# Altium PCB pcb.PcbDoc (part 1 of 2) (continued)
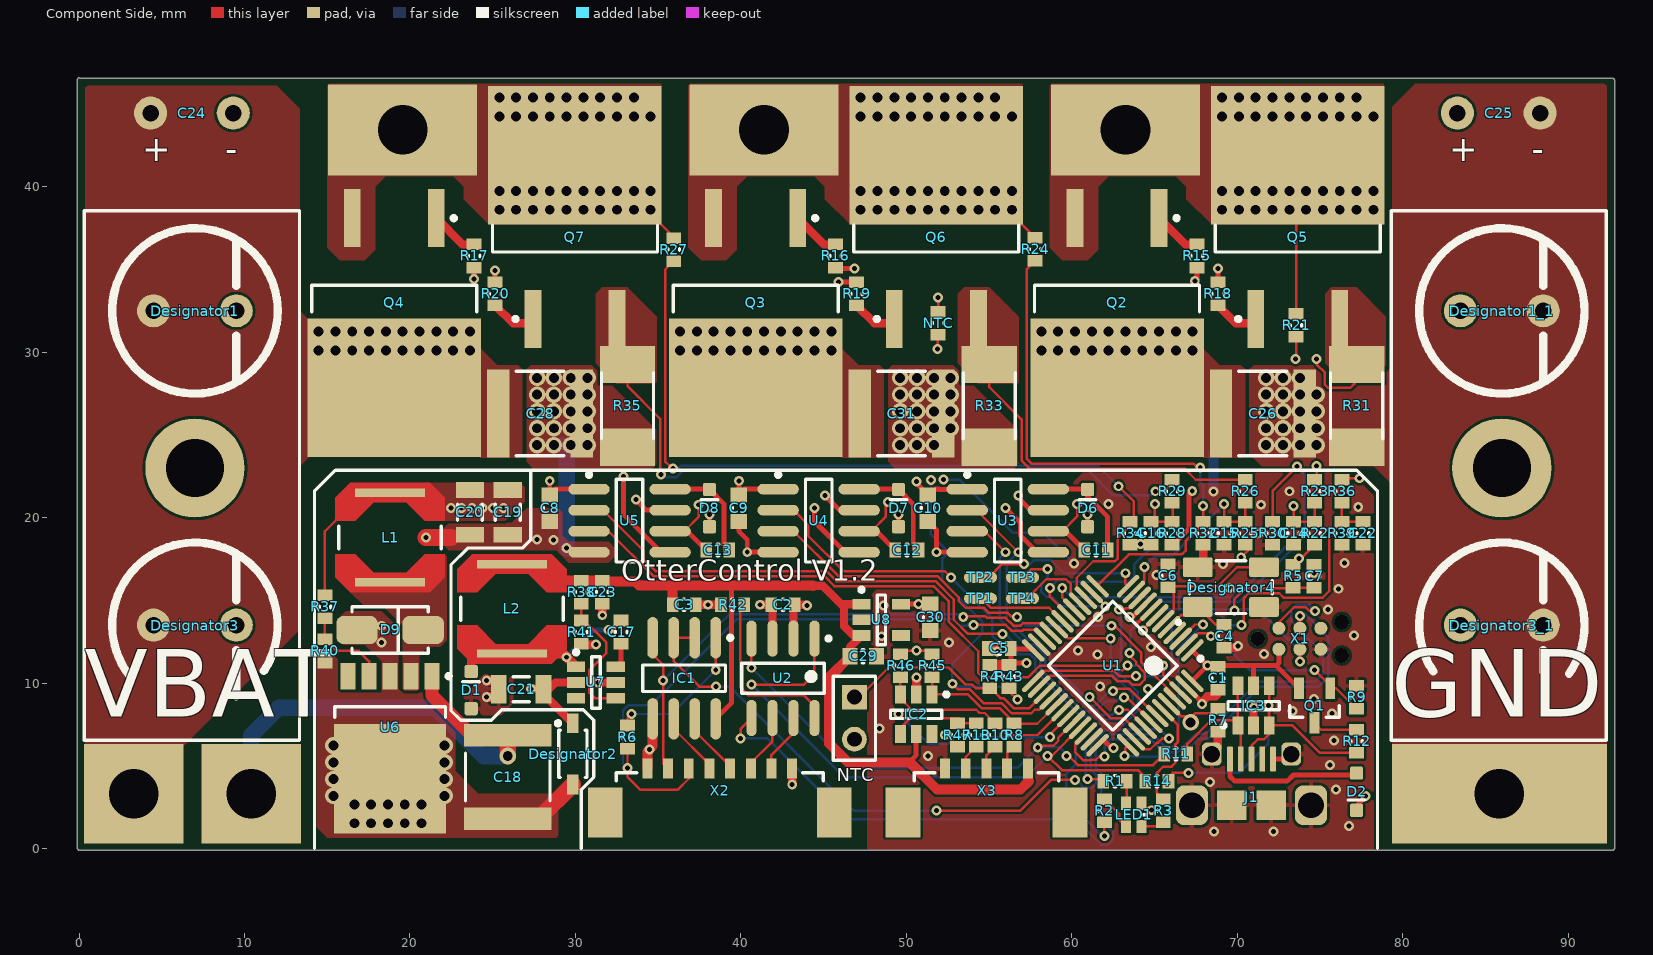
[diagram p0: Component Side view]
## Footprints (in the part's own frame and the unit in brackets; to place one, negate y for a bottom-side part, rotate by r counter-clockwise, add the part's x,y. Pads: shape width x height; smd on the part's side, far side on the other; paste and mask are expansions set on the pad)
10x12.5-5 [mm]
  round 2 hole 1: 1(2.5,0) 2(-2.5,0)
  silkscreen extent -5,-5.01 5,4.99
12.5x31.5-angle [mm]
  round 2 hole 1: 1(-18.9,-2.5) 2(-18.9,2.5)
  silkscreen extent -13,-6.5 19,6.5, body extent -19.15,-6.5 19.15,6.5, height 13.5
ABM3B [mm]
  rrect20% 1.8x1.2 smd: 1(-2,-1.2) 2(2,-1.2) 3(2,1.2) 4(-2,1.2)
  silkscreen extent -3.27,-2.22 2.5,1.6, body extent -2.5,-1.6 2.5,1.6, height 1.1
C-0603-H [mm] "Chip Resistor, Body 1.6x0.8mm, IPC High Density"
  rect 0.7x0.9 smd: 1(-0.7,0) 2(0.7,0)
  silkscreen extent -0.05,-0.35 0.05,0.35, body extent -0.85,-0.45 0.85,0.45, height 0.9
C-0603-M [mm] "Chip Resistor, Body 1.6x0.8mm, IPC Medium Density"
  rect 0.9x1 smd: 1(-0.8,0) 2(0.8,0)
  silkscreen extent -0.05,-0.4 0.05,0.4, body extent -0.85,-0.45 0.85,0.45, height 0.9
C-1206-H [mm] "Chip Resistor, Body 3.2x1.6mm, IPC High Density"
  rect 0.95x1.7 smd: 1(-1.35,0) 2(1.35,0)
  silkscreen extent -0.5,-0.75 0.5,0.75, body extent -1.7,-0.9 1.7,0.9, height 1
C-2220 [mm]
  rect 1.35x5.3 smd: 1(-2.525,0) 2(2.525,0)
  silkscreen extent -1.45,-2.55 1.45,2.55, body extent -3.05,-2.7 3.05,2.7, height 2.5
DIODE-SMA [mm]
  rrect50% 1.7x2.5 smd: 1(0,2) 2(0,-2)
  silkscreen extent -1.4,-2.3 1.4,2.3, body extent -1.4,-2.74 1.4,2.74, height 2.34
DPAK127P970X238-6L [mm] "D-PAK, 6-Pads, Body 6.20x6.72mm (max), IPC High Density"
  rect 1.6x0.9 smd: 1(-4.35,2.54) 2(-4.35,1.27) 3(-4.35,0) 4(-4.35,-1.27) 5(-4.35,-2.54)
  rect 6.6x6.75 smd: 6(1.85,0)
  silkscreen extent -4.47,-3.35 -1.85,3.67, body extent -4.51,-3.35 5.18,3.35, height 2.38
HDR1X2 [mm] "Connector; Header; 2 Position"
  rect 1.5x1.5 hole 0.9: 1(0,0)
  round 1.5 hole 0.9: 2(2.54,0)
  silkscreen extent -1.27,-1.27 3.81,1.27
LPS6235 [mm]
  rect 0.5x4.25 smd paste+0 mask+0: 1(-2.7,0) 2(2.7,0)
  Component Side region: -1,2.1 -2.125,0.975 -2.125,-0.975 -1,-2.1 -1,-3.3 -2.4,-3.3 -3.3,-2.4 -3.3,2.4 -2.4,3.3 -1,3.3
  Component Side region: 1,-2.1 2.125,-0.975 2.125,0.975 1,2.1 1,3.3 2.4,3.3 3.3,2.4 3.3,-2.4 2.4,-3.3 1,-3.3
  silkscreen extent -0.7,-3.1 0.7,3.1, body extent -3.1,-3.1 3.1,3.1, height 3.5
mlx-picoBlade-5p-right-SMD [mm]
  rect 2.1x3 smd: 0(-5.045,2.65) 0(5.045,2.65)
  rect 0.6x1.2 smd: 1(-2.495,0) 2(-1.245,0) 3(0.005,0) 4(1.255,0) 5(2.505,0)
  silkscreen extent -4.37,0.25 4.37,0.75, body extent -5.7,-0.31 5.7,4.89, height 3.3
mlx-picoBlade-8p-right-SMD [mm]
  rect 2.1x3 smd: 0(-6.925,2.65) 0(6.925,2.65)
  rect 0.6x1.2 smd: 1(-4.375,0) 2(-3.125,0) 3(-1.875,0) 4(-0.625,0) 5(0.625,0) 6(1.875,0) 7(3.125,0) 8(4.375,0)
  silkscreen extent -6.25,0.25 6.25,0.75, body extent -7.57,-0.35 7.58,4.85, height 3.4
ONSC-D2PAK-3-418B-04_V#1 [mm] "DPAK, 3-Leads, Body 9.97x9.145mm, Pitch 2.54mm"
  rect 3.504x1.016 smd: 1(-6.35,2.54) 3(-6.35,-2.54)
  rect 8.38x10.49 smd: 4(3.9,0)
  silkscreen extent -6.47,-4.98 -0.69,4.98, body extent -2.3,-4.98 6.85,4.98, height 4.83
ONSC-D2PAK-3-418B-04_V#2 [mm] "DPAK, 3-Leads, Body 9.97x9.145mm, Pitch 2.54mm"
  rect 3.504x1.016 smd: 1(-6.35,2.54) 3(-6.35,-2.54)
  rect 8.38x10.49 smd: 4(3.546,0)
  silkscreen extent -6.47,-4.98 -0.69,4.98, body extent -2.3,-4.98 6.85,4.98, height 4.83
R-0603-H [mm] "Chip Resistor, Body 1.6x0.8mm, IPC High Density"
  rect 0.7x0.9 smd: 1(-0.7,0) 2(0.7,0)
  silkscreen extent -0.05,-0.35 0.05,0.35, body extent -0.87,-0.47 0.88,0.48, height 0.55
R-2512-M [mm]
  rect 2.25x3.35 smd: 1(-2.5,0) 2(2.5,0)
  silkscreen extent -2,-1.57 2,1.58, body extent -3.3,-1.7 3.3,1.7, height 0.7
SOD123 [mm]
  rect 1.2x0.7 smd: 1(-1.85,0) 2(1.85,0)
  silkscreen extent -1.43,-0.85 1.97,1.02, body extent -1.93,-0.85 1.93,0.85, height 1.42
SOD323F [mm]
  rrect30% 0.8x0.8 smd: 1(-1.125,0) 2(1.125,0)
  silkscreen extent 0.5,-0.5 0.5,0.5, body extent -1.25,-0.68 1.25,0.67, height 1.01
SOIC-8 [mm] "SOIC, 8-Leads, Body 4.89x3.9mm, Pitch 1.27mm, IPC Low Density"
  oval 2.5x0.65 smd: 1(-2.45,1.905) 2(-2.45,0.635) 3(-2.45,-0.635) 4(-2.45,-1.905) 5(2.45,-1.905) 6(2.45,-0.635) 7(2.45,0.635) 8(2.45,1.905)
  silkscreen extent -2.57,-2.5 0.8,2.91, body extent -3,-2.45 3,2.45, height 1.75
SOIC-SN8_N [mm] "SOIC, 8-Leads, Body 4.9x3.9mm, Pitch 1.27mm, IPC Medium Density"
  oval 2.2x0.6 smd: 1(-2.4,1.905) 2(-2.4,0.635) 3(-2.4,-0.635) 4(-2.4,-1.905) 5(2.4,-1.905) 6(2.4,-0.635) 7(2.4,0.635) 8(2.4,1.905)
  silkscreen extent -2.52,-2.5 0.9,2.88, body extent -2,-2.5 2,2.5, height 1.75
SOT23-5 [mm] "SOT23, 5-Leads, Body 2.9x1.6mm, Pitch 0.95mm, Lead Span 2.8mm, IPC Medium Density"
  rect 1.1x0.65 smd: 1(-1.2,0.95) 2(-1.2,0) 3(-1.2,-0.95) 4(1.2,-0.95) 5(1.2,0.95)
  silkscreen extent -1.32,-1.5 0.25,1.95, body extent -1.4,-1.45 1.4,1.45, height 1.45
SOT23-6 [mm]
  rect 1.1x0.65 smd: 1(-1.2,0.95) 2(-1.2,0) 3(-1.2,-0.95) 4(1.2,-0.95) 5(1.2,0) 6(1.2,0.95)
  silkscreen extent -1.32,-1.55 0.25,1.95, body extent -1.4,-1.45 1.4,1.45, height 1.45
SOT-23 [mm] "SOT23, 3-Leads, Body 3.04x1.4mm, Pitch 0.95mm, IPC Medium Density"
  rect 1.3x0.6 smd: 1(-1.05,0.95) 2(-1.05,-0.95) 3(1.05,0)
  silkscreen extent 0,-1.5 0.7,1.5, body extent -1.4,-1.45 1.4,1.45, height 1.3
STM-LQFP48_N [mm] "QFP, 48-Leads, Body 7x7mm, Pitch 0.5mm, IPC Medium Density"
  oval 1.8x0.3 smd: 1(-4.05,2.75) 2(-4.05,2.25) 3(-4.05,1.75) 4(-4.05,1.25) 5(-4.05,0.75) 6(-4.05,0.25) 7(-4.05,-0.25) 8(-4.05,-0.75) 9(-4.05,-1.25) 10(-4.05,-1.75) 11(-4.05,-2.25) 12(-4.05,-2.75) 25(4.05,-2.75) 26(4.05,-2.25) 27(4.05,-1.75) 28(4.05,-1.25) 29(4.05,-0.75) 30(4.05,-0.25) 31(4.05,0.25) 32(4.05,0.75) 33(4.05,1.25) 34(4.05,1.75) 35(4.05,2.25) 36(4.05,2.75)
  oval 0.3x1.8 smd: 13(-2.75,-4.05) 14(-2.25,-4.05) 15(-1.75,-4.05) 16(-1.25,-4.05) 17(-0.75,-4.05) 18(-0.25,-4.05) 19(0.25,-4.05) 20(0.75,-4.05) 21(1.25,-4.05) 22(1.75,-4.05) 23(2.25,-4.05) 24(2.75,-4.05) 37(2.75,4.05) 38(2.25,4.05) 39(1.75,4.05) 40(1.25,4.05) 41(0.75,4.05) 42(0.25,4.05) 43(-0.25,4.05) 44(-0.75,4.05) 45(-1.25,4.05) 46(-1.75,4.05) 47(-2.25,4.05) 48(-2.75,4.05)
  silkscreen extent -4.17,-2.75 2.75,3.57, body extent -3.5,-3.5 3.5,3.5, height 1.6
TC2030-IDC-NL [mil]
  round 31 smd paste-30.98: 1(50,-25) 2(50,25) 3(100,-25) 4(100,25) 5(150,-25) 6(150,25)
  round 34 hole 35 unplated: A(0,0) B(200,40) C(200,-40)
TP [mm]
  oval 2x0.7 smd paste-2: 1(0,0)
uLED [mm]
  rect 0.8x0.6 smd: 1(0.7,-0.475) 2(-0.7,-0.475) 3(-0.7,0.475) 4(0.7,0.475)
  silkscreen extent 0,-0.75 0,-0.5, body extent -1,-1 1,1, height 0.9
USB_Micro-Molex [mm]
  round 0.508 on Mech15: 0(0,0)
  rrect20% 0.35x1.5 smd: 1(-1.3,4.9) 2(-0.65,4.9) 3(0,4.9) 4(0.65,4.9) 5(1.3,4.9)
  rrect50% 1.95x2.4 hole 1.55 paste+2: SH(-3.6,2.1)
  rrect50% 1.2x1.4 hole 1 paste+0: SH(-2.4,5.2) SH(2.4,5.2)
  rect 1.8x1.8 smd: SH(-1.2,2.1) SH(1.2,2.1)
  rrect50% 1.95x2.4 hole 1.55 paste+0: SH(3.6,2.1)
  body extent -5.35,-21.58 5.35,5.3, height 5.2

## Part data
C1 C2 C5 C7: library part C-0603-100n-25V, "Capacitor 100n 25V", Supplier Part Number 1=80-C0603C104K3R, Supplier 1=Mouser
C3 C23 C30: library part C-0603-10u-6,3V, "Capacitor 10uF 6,3V", Supplier Part Number 1=80-C0603C106M9P, Supplier 1=Mouser
C4 C6: library part C-0402-18p-50V, "Capacitor 18p 50V", Supplier Part Number 1=80-C0402C180J5G, Supplier 1=Mouser
C8 C9 C10: library part C-0603-2u2-16V, "Capacitor 2.2uF 16V", Supplier Part Number 1=80-C0603C225K4P, Supplier 1=Mouser
C11 C12 C13: library part C-0603-1u-25V, "Capacitor 1uF 25V", Supplier Part Number 1=80-C0603C105K3R, Supplier 1=Mouser
C14 C15 C16 C22: library part C-0603-1n-50V, "Capacitor 1nF 50V", Supplier Part Number 1=80-C0603C102J5G, Supplier 1=Mouser
C17: library part C-0603-100n-50V, "Capacitor 100n 50V", Supplier Part Number 1=80-C0603C104K5RAUTO, Supplier 1=Mouser
C18 C26 C28 C31: library part C-2220-15u-100V, "Capacitor 47uF 100V"
C19 C20 C21: library part C-1206-10u-25V, "Capacitor 10uF 25V", Supplier Part Number 1=80-C1206C106K3P, Supplier 1=Mouser
C24 C25: library part SC-10F-2.7V, "supercap 10F 2.7V", Supplier Part Number 1=647-JUMT1106MHD, Supplier 1=Mouser
C29: library part C-0603-1u-10V, "Capacitor 1uF 10V", Supplier Part Number 1=80-C0603C105K8P, Supplier 1=Mouser
D1 D2 D6 D7 D8: "Diode 1N4148", Supplier Part Number 1=512-1N4148WS, Supplier 1=Mouser
D9: library part D-B230A-13-F, Supplier Part Number 1=621-B230A-F, Supplier 1=Mouser
Designator2: library part Diode-Zener-12V
Designator4: library part ABM3B-12MHz
IC1: "RS485 transceiver"
IC2 IC3: "USB protection"
J1: library part USB_Micro_MOLEX, "Connector SMD-THD USB Micro Type B middle mount"
L1: library part L-LPS6235-68u, Supplier Part Number 1=994-LPS6235-683MRC, Supplier 1=Mouser
L2: library part L-LPS6235-6u8, Supplier Part Number 1=994-LPS6235-682MRB, Supplier 1=Mouser
LED1: library part uLED-RGB, "CLMVB-FKA RGB", Supplier Part Number 1=941-CLMVBFKACFHEHLCB, Supplier 1=Mouser
NTC R4 R42 R43: library part R-0603-10k, "Resistor 10k", Supplier Part Number 1=71-CRCW0603-10K-E3, Supplier 1=Mouser
NTC: "Header, 2-Pin", LatestRevisionDate=17-Jul-2002, LatestRevisionNote="Re-released for DXP Platform.", Publisher="Altium Limited"
Q1: library part MOSFET-P, Supplier Part Number 1=781-SI2367DS-GE3, Supplier 1=Mouser
Q2 Q3 Q4 Q5 Q6 Q7: library part CMP-1058-00095-1, "Power MOSFET, 37 A, 150 V, N-Channel Enhancement-Mode, 3-Pin D2PAK, Pb-Free, Tube", Manufacturer="On Semiconductor", Package Type=D2PAK-3, PartNumber=NTB35N15G, Channel Polarity="N Channel", Ciss Typ (pF)=2275, ComponentLink1Description="Manufacturer URL", ComponentLink1URL=http://www.onsemi.com/, ComponentLink2Description=Datasheet, ComponentLink2URL=http://www.onsemi.cn/pub_link/Collateral/NTB35N15-D.PDF, ComponentLink3Description="Package Specification", ComponentLink3URL=http://www.onsemi.com/pub_link/Collateral/418B-04.PDF, Configuration=Single, Coss Typ (pF)=450, Crss Typ (pF)=90, DatasheetVersion="Rev. 5", Mounting Technology="Surface Mount", PackageDescription="3-Pin Flange Mount, Body 9.145 x 9.97 mm, Pitch 2.54 mm", PackageReference=D2PAK-3-418B-04, PackageVersion="Rev. K, 09/2008", Packing=Tube, Qrr Typ (nC)=1140, RoHS=Pb-Free, V(BR)DSS Min (V)=150, VGS(th) Max (V)=4, VGS Max (V)=20
R1 R2 R3 R6 R8 R10 R13 R45 R46 R47: library part R-0402-470, "Resistor 470", Supplier Part Number 1=71-CRCW0402-470-E3, Supplier 1=Mouser
R5 R9 R21 R24 R27 R36 R38: library part R-0603-47k, "Resistor 4k7", Supplier Part Number 1=71-CRCW060347K0FKEB, Supplier 1=Mouser
R7 R37: library part R-0603-20k, "Resistor 20k", Supplier Part Number 1=71-CRCW0603-20K-E3, Resistance=20k, Supplier 1=Mouser
R11 R14: library part R-0603-22, "Resistor 22", Supplier Part Number 1=71-CRCW0603-22-E3, Supplier 1=Mouser
R12: library part R-0603-1k5, "Resistor 1.5k", Supplier Part Number 1=71-CRCW0603-1.5K-E3, Supplier 1=Mouser
R15 R16 R17 R18 R19 R20: library part R-0603-10, "Resistor 10", Supplier Part Number 1=71-CRCW0603-10-E3, Supplier 1=Mouser
R22 R25 R28: library part R-0603-5k1, "Resistor 5.1k", Supplier Part Number 1=71-CRCW0603-5.1K-E3, Supplier 1=Mouser
R23 R26 R29: library part R-0603-100, "Resistor 100", Supplier Part Number 1=71-CRCW0603-100-E3, Supplier 1=Mouser
R30 R32 R34 R39 R40: library part R-0603-2k, "Resistor 2k", Supplier Part Number 1=71-CRCW0603-12.1K-E3, Supplier 1=Mouser
R31 R33 R35: library part R-1206-0, "Resistor 0", Supplier Part Number 1=71-CRCW1206-0-E3, Supplier 1=Mouser
R41: library part R-0603-15k, "Resistor 15k", Supplier Part Number 1=71-CRCW0603-15K-E3, Supplier 1=Mouser
U1: library part CMP-0572-00014-2, "ARM Cortex-M4 32-bit MCU, 128 KB Flash, 32 KB Internal RAM, 37 I/Os, 48-pin LQFP, -40 to 85 degC, Tray", I/Os (High Current)=37, Operating Frequency(F) (Processor speed) (MHz)=72, Supply Voltage(Vcc) min (V)=2, ComponentLink1Description="Manufacturer URL", ComponentLink1URL=http://www.st.com/web/en/home.html, ComponentLink2Description=Datasheet, ComponentLink2URL=http://www.st.com/st-web-ui/static/active/en/resource/technical/document/datasheet/DM00058181.pdf, ComponentLink3Description="Package Specification", ComponentLink3URL=http://www.st.com/st-web-ui/static/active/en/resource/technical/document/datasheet/DM00058181.pdf, Core="ARM Cortex-M4", D/A Converter="2x12-bit (2 Channel)", DatasheetVersion="Rev. 6", FLASH Size (Prog) (kB)=128, Internal RAM Size (kB)=32, Mounting Technology="Surface Mount", PackageDescription="48-Pin Low Profile Quad Flat Package, 7 x 7 mm Body, 0.5 mm Pitch", PackageReference=LQFP48, PackageVersion="Rev. 6, 06/2013", Packing=Tray, PartId=1, PartNumber=STM32F303CBT6
U2: library part CMP-0186-00138-2, "High-Speed CAN Transceiver, 8-Pin SOIC, Industrial Temperature", Code_IPC=SOIC127P600-8, Code_JEDEC=MS-012, ComponentLink1Description="Manufacturer URL", ComponentLink1URL=http://www.microchip.com/, ComponentLink2Description=Datasheet, ComponentLink2URL=http://ww1.microchip.com/downloads/en/DeviceDoc/21667F.pdf, ComponentLink3Description="Package Specification", ComponentLink3URL=http://www.microchip.com/stellent/groups/techpub_sg/documents/packagingspec/en012702.pdf, DatasheetVersion="revF, Jul-2010", PackageDescription="8-Lead Plastic Small Outline (SN) - Narrow, 3.90mm Body [SOIC]", PackageReference=SOIC-SN8, PackageVersion="revBB, Aug-2009", RevisionNote="URLs added. DatasheetVersion updated."
U6: "High Voltage StepDown"
U8: Supplier Part Number 1=998-MIC5501-3.0YM5TR, Supplier 1=Mouser
X1: library part TAG-Connect-SWD, "TC2050-IDC SWD"
X2: library part MLX-picoBlade-8P-right-SMD, Supplier Part Number 1=538-53261-0871, Supplier 1=Mouser
X3: library part MLX-picoBlade-5P-right-SMD, Supplier Part Number 1=538-53261-0571, Supplier 1=Mouser

## Free pads (board coordinates)
  rect 6x6 hole 3: 1(3.3,3.3) 1(10.4,3.3)
  rect 9x5.5 hole 3: 1(19.558,43.434) 1(41.402,43.434) 1(63.246,43.434)
  rect 13x6 hole 3: 1(85.852,3.302)
  round 6 hole 3.5: 2(7,23) 2(86,23)

## Via types
v1: diameter 1, hole 0.6, Component Side to Solder Side, 195 vias
v2: diameter 0.6, hole 0.3, Component Side to Solder Side, tented both sides, 178 vias
v3: diameter 1, hole 0.6, Component Side to Solder Side, tented both sides, 59 vias
v4: diameter 0.6, hole 0.3, Component Side to Solder Side, 1 vias
v5: diameter 1, hole 0.6, Component Side to Solder Side, tented bottom, 1 vias

## Nets (pads, with @x,y where several pads share a name; then routed paths per layer and width w, separated by ;. In a path a pad name is that pad's centre, name@x,y a point inside that pad or via, vN(x,y) a via of type N, cw(c..) or ccw(c..) an arc to the next point about the centre after c; other vN are vias at no path point)
3V3: C1.2 C2.2 C5.2 C30.2 IC3.5 LED1.1 Q1.2 R4.2 R5.2 R22.1 R25.1 R28.1 R43.2 R45.2 R46.2 R47.2 U1.1 U1.9 U1.24 U1.36 U1.48 U2.3 U8.5 X1.1 X2.1 | length 42.8
  Component Side w0.15: R46.2@49.657,11.749 49.871,11.963 v2(50.622,11.963) 51.348,11.963 R45.2@51.562,11.749 ; v2(52.324,6.858) 52.386,6.858 R47.2@53.086,6.158 ; LED1.1@64.229,2.732 64.65,2.311 v2(64.821,2.311) ; v2(70.245,17.602) 70.739,18.096 R25.1@70.485,18.35 ; R5.2@73.381,17.159 v2(73.747,17.526) 73.879,17.658 73.984,17.658 R22.1@74.676,18.35
  Component Side w0.3: U8.5@49.689,14.768 v2(50.726,14.768) 50.987,14.507 C30.2@51.492,14.507 ; R43.2@56.326,11.416 56.326,12.065 57.579,12.065 U1.24@57.676,11.968 ; R43.2@56.54,11.201 v2(57.277,11.201) ; U1.36@61.565,6.241 61.903,6.579 62.411,6.071 v2(62.535,6.071) ; v2(63.492,14.003) 63.492,13.861 63.51,13.843 U1.9@64.464,14.797 ; R28.1@66.294,18.35 66.294,18.526 67.081,19.313 67.081,21.412 v2(67.285,21.615) ; U1.48@67.292,10.13 68.199,11.036 v2(68.199,11.049) ; U1.1@67.292,11.968 68.199,11.062 v2(68.199,11.049) ; IC3.5@70.993,9.836 70.993,11.049 ; X1.1@72.517,12.04 72.517,11.203 72.363,11.049 ; Q1.2@73.726,9.686 72.363,11.049 ; R22.1@74.676,18.35 R22.1@74.727,18.299 ; v2(68.199,11.049) 70.993,11.049 ; 70.993,11.049 72.363,11.049
  Component Side w0.5: v2(41.148,14.732) C2.2@41.845,14.732 41.91,14.667 U2.3@41.91,12.687 ; v2(43.104,3.861) X2.1@43.104,4.685
  Component Side w0.6: R4.2@55.042,11.089 R43.2@56.21,11.089
  Signal Layer 1 w0.5: v2(41.148,14.732) 42.164,13.716 49.784,13.716
5V: C3.2 C23.2 C29.2 IC1.8 IC2.5 L2.2 R38.2 U8.1 U8.3 X3.1 | length 55.3
  Component Side w0.3: IC1.8@38.481,7.837 39.446,8.802 39.446,14.157 ; 39.37,15.9 39.446,15.824 39.446,15.307 ; 39.447,14.158 39.447,15.306 ; 50.165,5.207 50.596,5.638 IC2.5@50.596,6.911
  Component Side w0.5: 44.374,15.875 44.958,15.875 46.065,14.768 ; C29.2@46.596,11.608 46.596,12.175 U8.3@47.289,12.868 46.798,12.868 46.228,13.438 46.228,14.605 46.065,14.768 ; U8.1@47.289,14.768 46.065,14.768
  Component Side w0.6: 28.383,16.194 R38.2@30.353,16.194 C23.2@31.623,16.194 31.688,16.129 33.604,16.129 33.833,15.9 35.865,15.9 ; C3.2@35.876,14.732 35.876,15.889 35.865,15.9 ; 44.374,15.875 44.348,15.9 39.37,15.9 35.865,15.9 ; C29.2@46.596,11.608 45.339,10.35 45.339,6.35 46.482,5.207 50.165,5.207 50.21,5.207 51.861,3.556 56.896,3.556 57.404,4.064 57.344,4.124 X3.1@57.344,4.826
12V: C8.2 C9.2 C10.2 C19.2 C20.2 C21.2 D2.2 D6.1 D7.1 D8.1 Designator2.2 L1.2 R37.2 U3.1 U4.1 U5.1 U7.2 | length 72.3
  Component Side w0.15: R37.2@14.859,15.305 14.859,19.177 16.129,20.447
  Component Side w0.3: v2(28.448,22.225) C8.2@28.448,21.374 28.791,21.717 U5.1@30.824,21.717 ; D8.1@38.1,19.449 v2(38.1,20.193) ; v2(39.878,22.225) C9.2@39.878,21.374 40.221,21.717 U4.1@42.254,21.717 ; D7.1@49.53,19.449 v2(49.53,20.193) ; v2(50.622,22.174) 50.622,22.06 C10.2@51.308,21.374 51.433,21.374 51.776,21.717 51.971,21.717 51.987,21.701 53.668,21.701 U3.1@53.684,21.717 ; D6.1@60.96,19.449 v2(60.96,20.193) ; D2.2@77.216,2.304 77.216,2.579 77.749,3.113 v2(77.749,3.175)
  Component Side w0.5: v2(27.305,9.652) 28.401,9.652 28.782,10.033 U7.2@30.042,10.033 ; C21.2@28.071,9.627 28.071,9.339 Designator2.2@29.845,7.565
  Signal Layer 1 w0.3: 61.138,22.403 61.228,22.493 63.071,22.493 63.16,22.403 75.834,22.403 76.459,21.777 77.104,21.777 77.978,20.903 77.978,3.429 77.749,3.2 v2(77.749,3.175)
  Signal Layer 1 w0.5: v2(25.654,20.574) 25.654,11.303 v2(27.305,9.652) ; 60.96,22.225 61.138,22.403
  other v2: 22.479,20.574 23.114,20.574 23.749,20.574 24.384,20.574 25.019,20.574
CAN_EN: U1.3 U2.5 | length 48.8
  Component Side w0.15: v2(39.98,6.655) 39.98,7.227 U2.5@40.64,7.887 U2.5@40.64,8.611 ; U1.3@66.585,12.675 67.448,13.538 v2(67.945,13.538)
  Solder Side w0.15: v2(39.98,6.655) 41.605,6.655 46.499,1.761 60.235,1.761 61.759,0.237 62.193,0.237 62.501,0.545 62.501,0.979 61.785,1.695 61.785,4.533 61.456,4.862 61.456,6.158 62.193,6.896 64.904,6.896 65.67,6.13 66.105,6.13 66.458,6.483 66.458,12.077 67.92,13.538 v2(67.945,13.538)
CAN_RX: R11.2 U1.32 U2.4 | length 33.5
  Component Side w0.15: v2(40.64,10.922) U2.4@40.64,12.687 ; v2(57.946,6.096) 58.056,6.206 58.891,6.206 59.199,6.514 59.199,6.703 U1.32@60.151,7.655 ; v2(59.69,5.588) 59.817,5.588 60.37,5.035 61.314,5.035 61.318,5.039 62.478,5.039 ; 62.5,5.039 62.503,5.035 62.74,5.035 62.744,5.039 64.132,5.039 64.136,5.035 64.914,5.035 R11.2@65.594,5.715
  Solder Side w0.15: v2(40.64,10.922) 46.69,4.872 56.722,4.872 v2(57.946,6.096) 57.963,6.113 59.292,6.113 59.69,5.715 v2(59.69,5.588)
CAN_TX: R14.2 U1.33 U2.1 | length 36.1
  Component Side w0.15: v2(40.64,9.906) 43.815,9.906 44.45,10.541 U2.1@44.45,12.687 ; U1.33@60.504,7.301 58.791,5.588 v2(58.547,5.588) 59.4,4.735 61.438,4.735 61.442,4.739 62.375,4.739 62.379,4.735 62.864,4.735 62.868,4.739 64.008,4.739 64.429,4.318 R14.2@64.451,4.318
  Solder Side w0.15: v2(40.64,9.906) 46.228,4.318 57.277,4.318 v2(58.547,5.588)
DAC: TP3.1 U1.14 | length 9.2
  Component Side w0.15: TP3.1@57.023,16.383 57.048,16.383 57.556,16.891 v2(58.547,16.891) ; U1.14@61.211,15.504 61.963,14.752 v2@61.963,14.448 ; v2@61.951,14.46 v2@61.963,14.448 ; v2(62.027,14.63) 62.027,14.488 61.963,14.424 61.951,14.436 v2@61.963,14.448
  Solder Side w0.15: v2(58.547,16.891) 58.547,16.363 58.149,15.965 58.149,15.531 58.457,15.223 58.793,15.223 59.385,14.63 v2(62.027,14.63)
GND: C1.1 C2.1 C3.1 C4.2 C5.1 C6.2 C7.1 C14.1 C15.1 C16.1 C21.1 C22.1 C23.1 C29.1 C30.1 D1.1 Designator4.2 Designator4.4 IC1.5 IC2.2 IC3.2 J1.5 J1.SH NTC.2 R7.1 R9.2 R30.1 R32.1 R34.1 R39.1 R41.1 R42.1 U1.8 U1.23 U1.35 U1.47 U2.2 U7.5 U8.2 X1.5 X2.8 X3.5 | length 48.3
  Component Side w0.15: NTC.2@51.918,32.45 v2(51.918,33.299)
  Component Side w0.2: 63.906,13.64 63.992,13.64 64.795,14.443 U1.8@64.817,14.443
  Component Side w0.3: U1.47@66.939,9.776 67.847,8.868 v2@67.869,8.868 ; J1.5@72.166,5.408 72.966,5.408 J1.SH@73.266,5.708
  Component Side w0.5: R41.1@30.353,12.381 30.415,12.319 v2(31.242,12.319) ; v2(31.369,10.033) U7.5@32.442,10.033 ; v2(31.623,14.097) C23.1@31.623,14.794 ; C3.1@37.211,14.667 C3.1@37.276,14.732 v2(38.024,14.732) R42.1@38.797,14.732 ; U2.2@43.18,12.687 43.18,14.667 C2.1@43.245,14.732 43.942,14.732 v2(43.993,14.681) ; IC2.2@50.596,9.311 50.596,10.312 v2(50.622,10.338) ; Designator4.4@67.621,16.999 67.945,17.322 R32.1@67.945,18.35 ; v2@67.869,8.868 68.198,9.197 68.698,9.197 C1.1@68.834,9.333 ; J1.SH@68.466,5.708 68.834,6.076 R7.1@68.834,7.047 ; C4.2@69.215,12.127 69.937,12.127 v2(70.053,12.243) ; IC3.2@70.993,7.436 70.993,8.484 v2(71.018,8.509) ; R9.2@77.151,9.844 R9.2@77.216,9.844
  Component Side w0.6: v2(24.638,9.144) C21.1@25.193,9.144 ; v2(24.638,10.16) C21.1@25.193,10.16 ; X2.8@34.35,4.826 34.35,5.877 v2(34.468,5.994) 34.671,6.198 IC1.5@34.671,7.837 ; C5.1@54.926,12.065 55.347,12.065 v2(55.499,11.913)
  Signal Layer 1 w0.15: v2(51.918,33.299) 54.331,30.886 54.331,24.409 v2@52.222,22.301
  Solder Side w0.15: v2(52.236,22.301) 53.213,22.301 56.439,19.075 58.293,19.075 v2(60.147,17.221)
  Solder Side w0.6: v2(68.58,21.565) 68.58,23.114
  other v2: 68.605,1.016 72.187,1.016 76.759,1.346 75.971,3.556 68.351,4.013 75.616,5.055 51.308,5.588 75.844,6.528 48.387,7.239 75.743,8.153 73.355,8.306 67.869,8.738 74.651,9.042 64.618,9.627 61.722,9.779 61.57,11.735 71.628,11.76 60.376,11.963 64.795,12.167 52.578,12.446 48.514,12.827 77.064,12.878 61.595,13.995 75.489,14.453 48.616,14.681 76.124,15.697 69.52,15.748 65.126,16.535 74.651,16.637 69.139,17.196 76.479,17.247 64.16,18.415 71.298,19.05 77.318,20.65 71.45,20.777 62.23,20.828 73.152,21.59
HALL1: IC2.1 R8.1 R45.1 U1.29 | length 9.8
  Component Side w0.15: R45.1@51.562,10.349 51.562,9.327 IC2.1@51.546,9.311 53.726,9.311 54.549,8.488 55.631,8.488 56.515,7.604 R8.1@56.515,7.558 56.515,7.541 57.915,7.541 U1.29@59.09,8.716
HALL2: IC2.3 R10.1 R46.1 U1.30 | length 12.6
  Component Side w0.15: R46.1@49.657,10.349 49.646,10.338 IC2.3@49.646,9.311 49.646,9.068 50.332,8.382 54.231,8.382 54.425,8.188 54.742,8.188 R10.1@55.372,7.558 56.072,6.858 57.939,6.858 U1.30@59.443,8.362
HALL3: IC2.4 R13.1 R47.1 U1.31 | length 17.9
  Component Side w0.15: v2(49.53,8.128) 49.801,7.857 50.215,7.857 ; IC2.4@49.646,6.911 49.646,7.288 50.215,7.857 ; R13.1@54.229,7.558 53.5,7.558 53.201,7.857 50.215,7.857 ; v2(58.674,6.731) 58.674,6.885 U1.31@59.797,8.008
  Solder Side w0.15: v2(49.53,8.128) 51.325,6.333 52.541,6.333 52.939,6.731 v2(58.674,6.731)
ISENS1: C14.2 R22.2 R23.1 U1.17 | length 22.6
  Component Side w0.15: v2(59.427,15.748) 59.427,15.166 U1.17@60.151,14.443 ; v2(73.406,20.701) C14.2@73.406,19.75 R22.2@74.676,19.75 R23.1@74.676,20.89
  Solder Side w0.15: v2(59.427,15.748) 59.976,15.199 69.911,15.199 73.406,18.694 v2(73.406,20.701)
ISENS2: C15.2 R25.2 R26.1 U1.11 | length 11.7
  Component Side w0.15: U1.11@63.757,15.504 64.389,16.136 v2(64.389,17.018) ; v2(69.215,20.828) C15.2@69.215,19.75 R25.2@70.485,19.75 R26.1@70.485,20.89
  Solder Side w0.15: v2(64.389,17.018) 65.049,17.678 66.065,17.678 v2(69.215,20.828)
ISENS3: C16.2 R28.2 R29.1 U1.18 | length 15.9
  Component Side w0.15: v2(58.674,15.748) 58.674,15.213 U1.18@59.797,14.09 ; v2(65.024,20.828) 65.024,19.75 R28.2@66.065,19.75 66.116,19.75 66.116,20.712 R29.1@66.294,20.89
  Solder Side w0.15: v2(58.674,15.748) 59.199,16.273 59.653,16.273 59.814,16.112 63.463,16.112 63.771,16.42 63.771,17.162 65.024,18.415 v2(65.024,20.828)
NetC4_1: C4.1 Designator4.1 U1.5 | length 4.3
  Component Side w0.15: U1.5@65.878,13.382 66.593,14.097 67.12,14.097 Designator4.1@67.621,14.599 67.627,14.599 68.47,13.756 68.47,13.75 68.693,13.527 C4.1@69.215,13.527
NetC6_1: C6.1 Designator4.3 U1.6 | length 8.8
  Component Side w0.15: U1.6@65.525,13.736 66.172,14.383 66.172,15.416 C6.1@65.809,15.779 65.879,15.85 68.834,15.85 69.983,16.999 Designator4.3@71.621,16.999
NetC11_1: C11.1 D6.2 U3.8 | length 6.5
  Component Side w0.3: U3.8@58.584,21.717 60.942,21.717 D6.2@60.96,21.699 60.96,21.249 62.168,20.041 C11.1@62.168,18.034
NetC12_1: C12.1 D7.2 U4.8 | length 6.5
  Component Side w0.3: U4.8@47.154,21.717 49.512,21.717 D7.2@49.53,21.699 50.419,20.81 50.419,18.353 C12.1@50.738,18.034
NetC13_1: C13.1 D8.2 U5.8 | length 6.5
  Component Side w0.3: U5.8@35.724,21.717 38.082,21.717 D8.2@38.1,21.699 38.989,20.81 38.989,18.353 C13.1@39.308,18.034
NetC17_1: C17.1 U7.6 | length 1.5
  Component Side w0.3: U7.6@32.442,10.983 32.766,11.307 C17.1@32.766,12.381
NetC17_2: C17.2 D1.2 L2.1 U7.1 | length 9.4
  Component Side w0.3: 32.32,13.335 C17.2@32.766,13.781
  Component Side w0.5: D1.2@23.698,10.701 23.698,11.379 23.927,11.608 ; v2@29.272,11.753 v2@29.272,11.778
  Component Side w0.6: L2.1@26.162,11.778 29.272,11.778 v2@29.479,11.572 ; v2@29.272,11.753 U7.1@30.042,10.983
  Solder Side w0.3: v2(29.464,11.557) 31.115,13.208 v2(32.004,13.208)
NetD2_1: D2.1 J1.1 | length 9
  Component Side w0.3: J1.1@69.566,5.408 69.566,4.348 69.85,4.064 73.025,4.064 73.406,4.445 77.107,4.445 D2.1@77.216,4.554
NetD9_2: D9.2 L1.1 U6.2
NetIC1_1: IC1.1 R6.2 | length 8.9
  Component Side w0.15: R6.2@33.147,7.431 33.147,7.874 v2(33.401,8.128) ; v2(38.481,10.795) IC1.1@38.481,12.737
  Solder Side w0.15: v2(33.401,8.128) 35.814,8.128 v2(38.481,10.795)
NetIC1_6: IC1.6 X2.5 | length 3.9
  Component Side w0.15: IC1.6@35.941,7.837 35.941,7.239 38.1,5.08 X2.5@38.1,4.826
NetIC1_7: IC1.7 X2.4 | length 3.9
  Component Side w0.15: IC1.7@37.211,7.837 37.211,7.112 39.35,4.973 X2.4@39.35,4.826
NetIC3_1: IC3.1 IC3.6 J1.2 R11.1 | length 8.9
  Component Side w0.15: R11.1@66.994,5.715 66.994,6.325 68.416,7.747 69.732,7.747 IC3.1@70.043,7.436 ; IC3.6@70.043,9.836 IC3.1@70.043,7.436 ; J1.2@70.216,5.408 70.216,7.263 IC3.1@70.043,7.436
NetIC3_3: IC3.3 IC3.4 J1.3 R12.1 R14.1 | length 20.2
  Component Side w0.15: R14.1@65.851,4.318 66.105,4.572 v2(67.056,4.572) ; J1.3@70.866,5.408 70.866,6.223 71.247,6.604 71.628,6.604 71.943,6.919 IC3.3@71.943,7.436 ; IC3.4@71.943,9.836 IC3.3@71.943,7.436 ; R12.1@77.216,5.777 74.995,5.777 73.336,7.436 IC3.3@71.943,7.436
  Solder Side w0.15: v2(67.056,4.572) 70.104,4.572 71.882,6.35 v2(71.882,8.636)
NetLED1_2: LED1.2 R3.1 | length 1.3
  Component Side w0.15: LED1.2@64.229,1.332 R3.1@65.532,1.332
NetLED1_3: LED1.3 R2.1 | length 2.3
  Component Side w0.15: R2.1@61.976,2.986 62.865,2.097 62.865,1.746 LED1.3@63.279,1.332 LED1.3@63.406,1.332
NetLED1_4: LED1.4 R1.1 | length 2.1
  Component Side w0.15: LED1.4@63.279,2.732 63.311,2.764 LED1.4@63.311,2.827 ; R1.1@63.311,4.318 R1.1@63.311,4.064 LED1.4@63.311,2.827 ; LED1.4@63.406,3.081 63.406,2.732 LED1.4@63.311,2.827
NetQ1_3: Q1.3 R12.2 | length 2.7
  Component Side w0.15: Q1.3@74.676,7.586 75.085,7.177 R12.2@77.216,7.177
NetQ2_1: Q2.1 R15.2 | length 2.9
  Component Side w0.5: Q2.1@65.278,38.1 66.864,36.514 R15.2@67.564,36.514
NetQ3_1: Q3.1 R16.2 | length 2.9
  Component Side w0.5: Q3.1@43.434,38.1 45.02,36.514 R16.2@45.72,36.514
NetQ4_1: Q4.1 R17.2 | length 2.9
  Component Side w0.5: Q4.1@21.59,38.1 23.176,36.514 R17.2@23.876,36.514
NetQ5_1: Q5.1 R18.2 | length 2.7
  Component Side w0.5: R18.2@68.834,32.828 69.912,31.75 Q5.1@71.12,31.75
NetQ5_3: Q5.3 R23.2 R31.2 | length 14.2
  Component Side w0.15: R23.2@74.676,22.29 74.803,22.417 v2(74.803,23.114) ; v2@74.93,29.464 v2(74.803,29.591) 74.803,29.261 75.3,28.764 75.3,28.029 75.478,27.85 76.85,27.85 77.1,28.1 R31.2@77.1,28.637 ; R31.2@77.038,28.575 R31.2@77.1,28.637 ; R31.2@77.216,29.749 77.267,29.698 77.267,28.804 R31.2@77.1,28.637
  Signal Layer 1 w0.15: v2(74.803,23.114) 74.983,23.114 75.946,24.077 75.946,28.448 v2(74.803,29.591)
NetQ6_1: Q6.1 R19.2 | length 2.7
  Component Side w0.5: R19.2@46.99,32.828 48.068,31.75 Q6.1@49.276,31.75